# Altium PCB VNGS01 V1.32.PcbDoc (part 1 of 2) (continued)
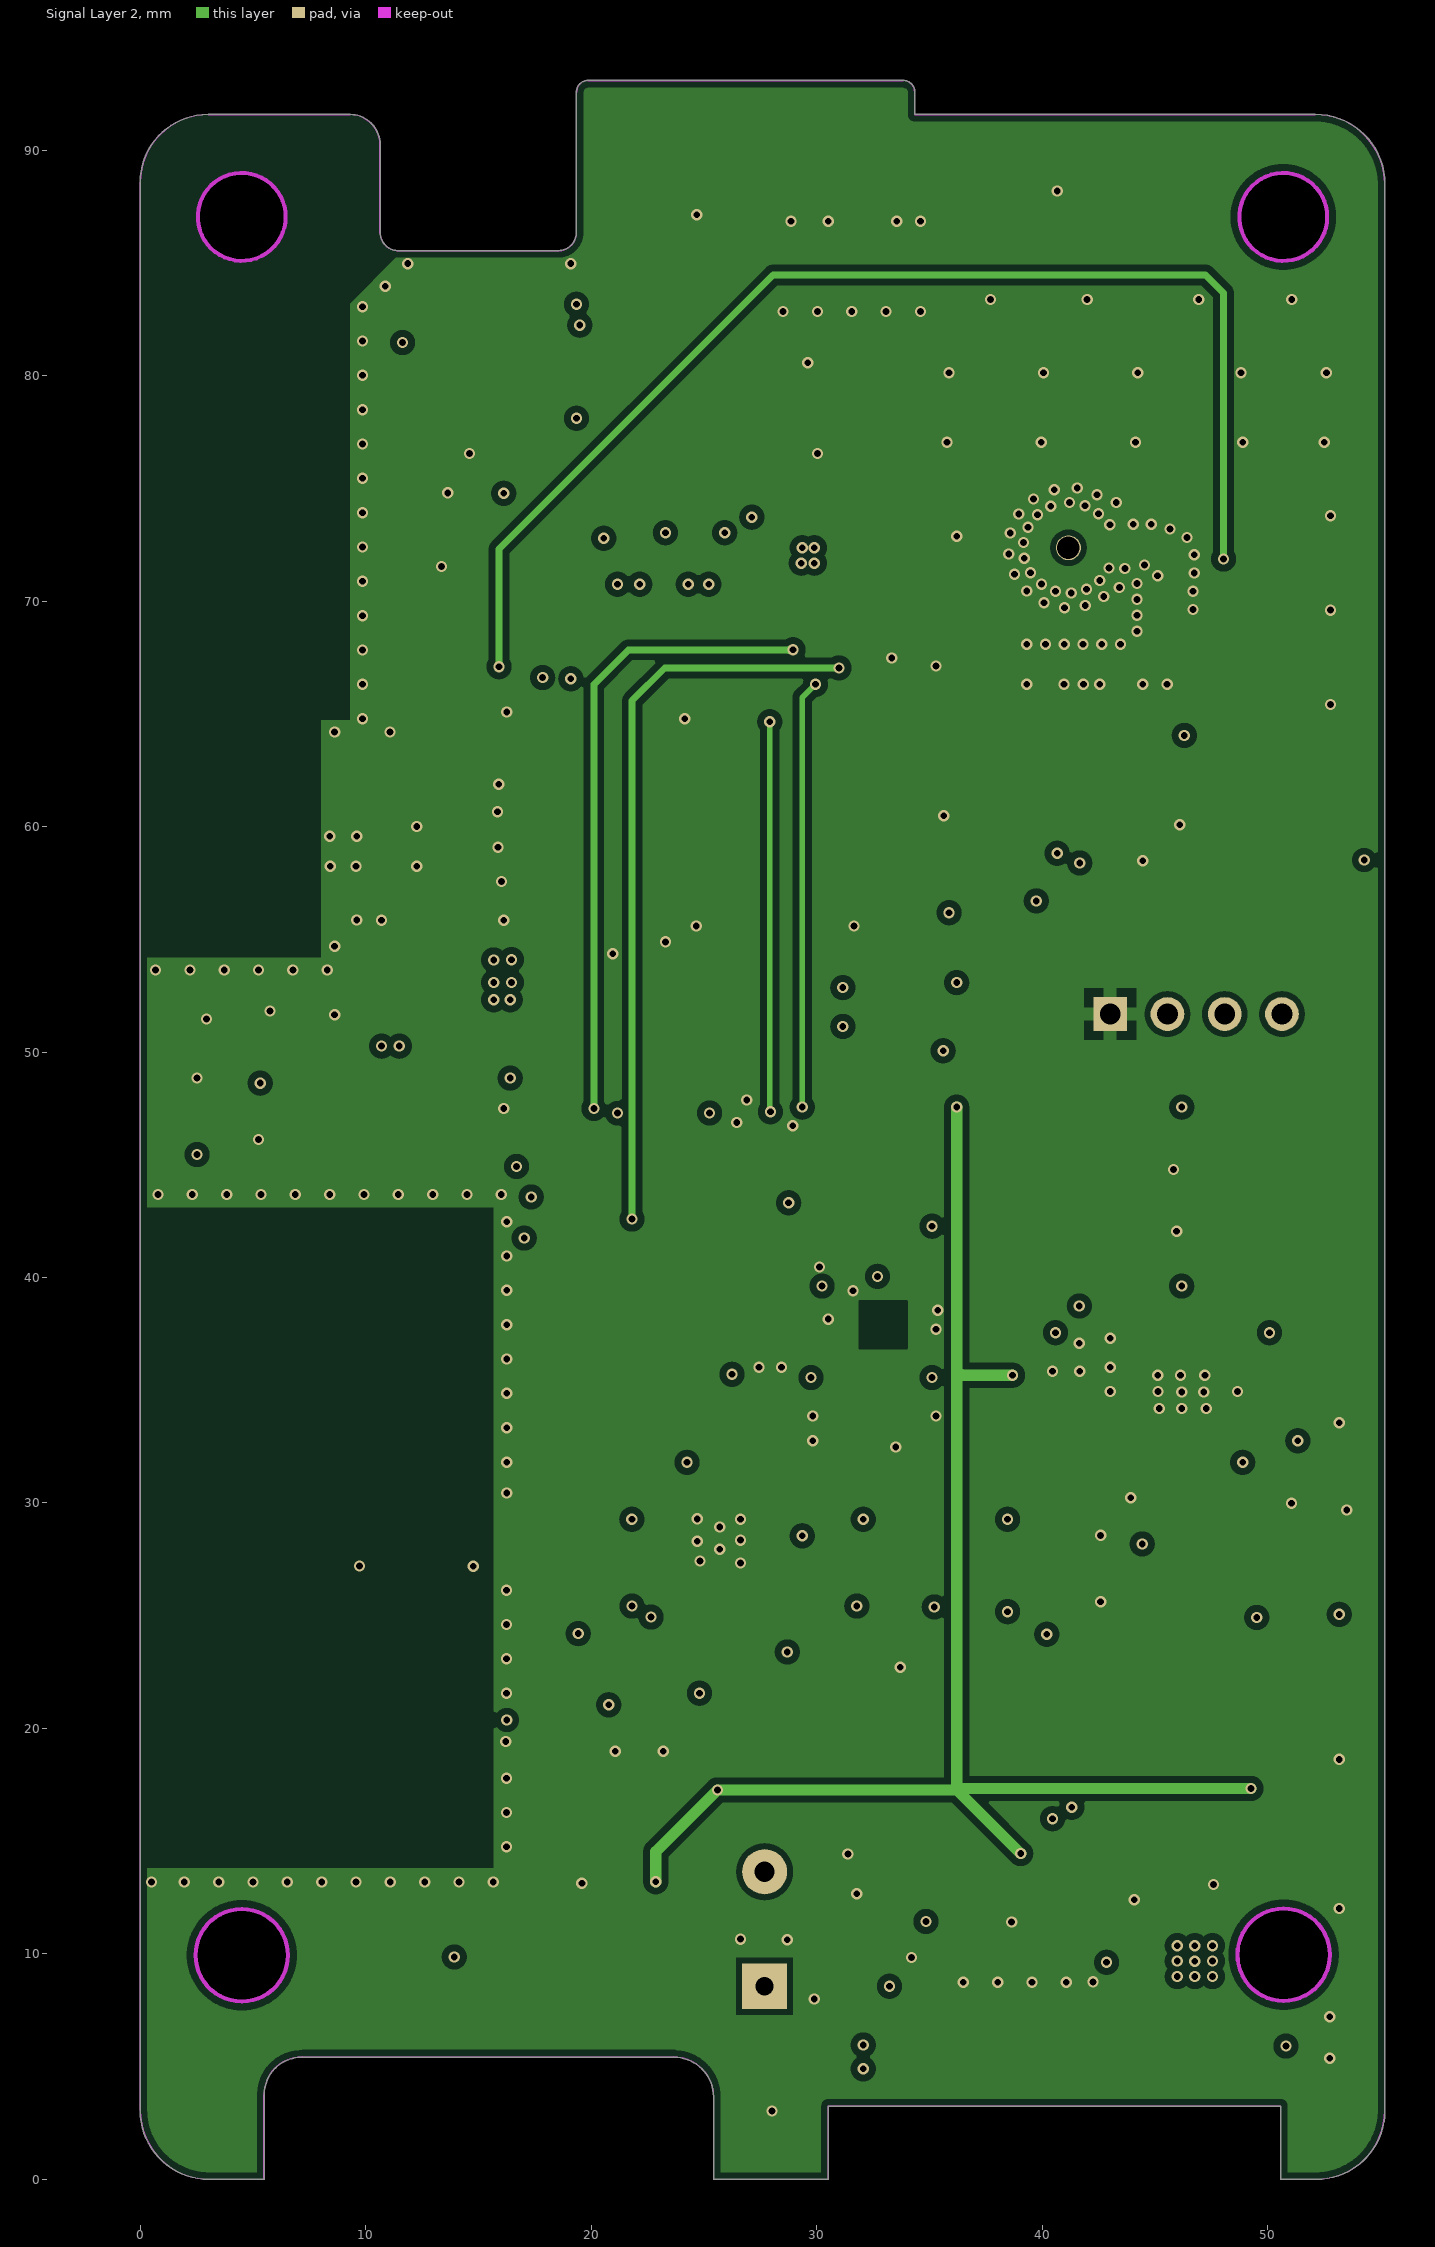
[diagram p3: Signal Layer 2]
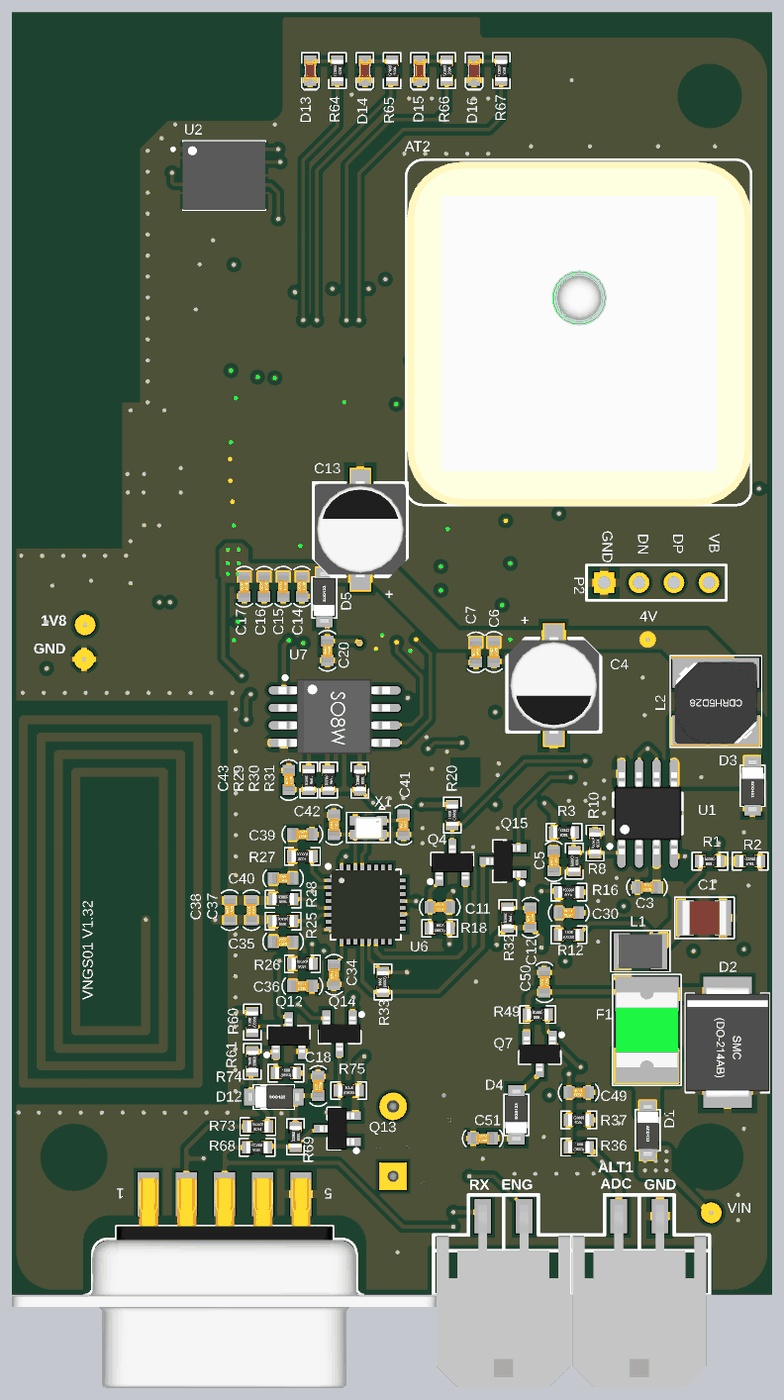
[diagram p5: 3D render of the assembled board from above, using the file's embedded part models]
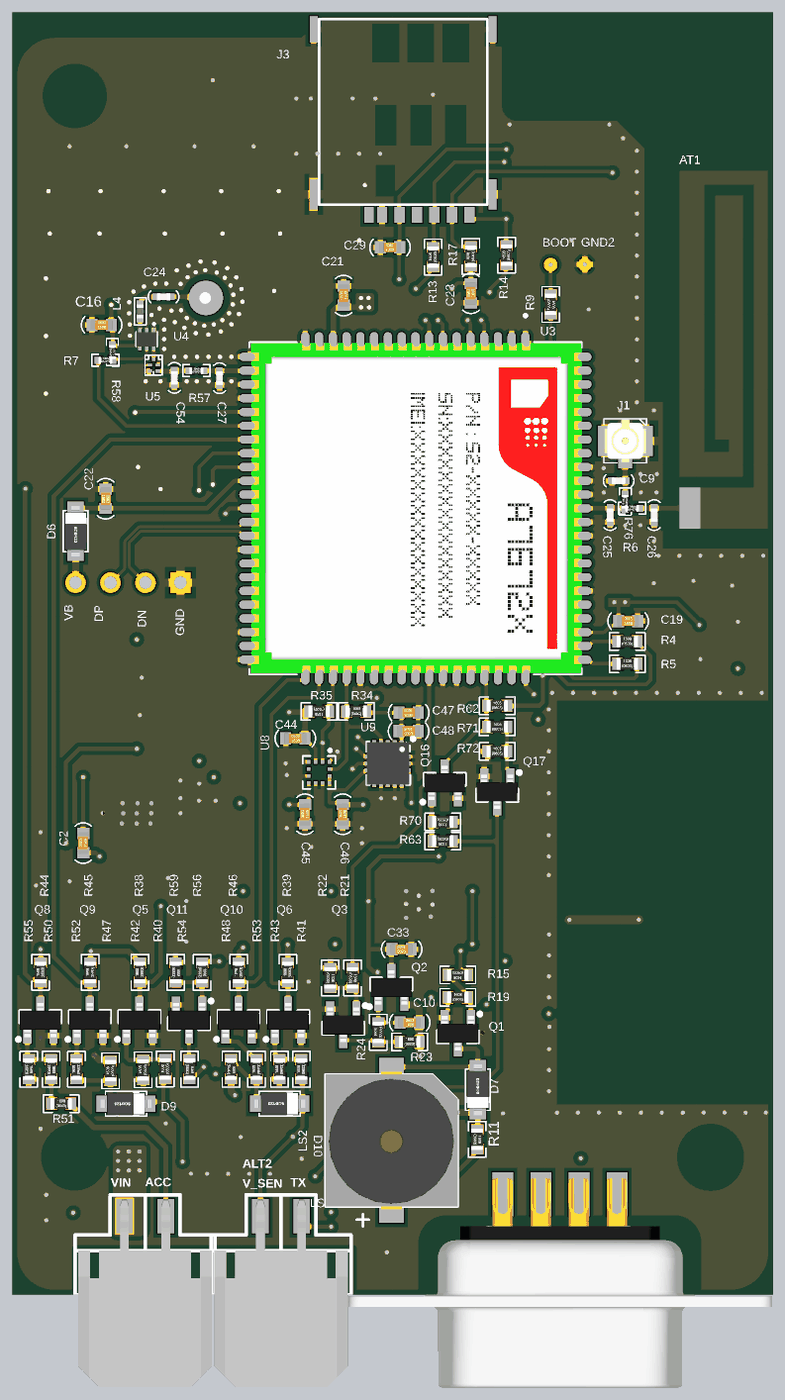
[diagram p6: 3D render of the assembled board from below, using the file's embedded part models]

## Layer stack, top to bottom
Top Solder: solder mask 0.02, SM-001, Dk 3.8
Top Layer: signal copper 0.035
Dielectric 1: prepreg 0.2104, PP-017, Dk 4.6
Signal Layer 1: signal copper 0.0152
Dielectric 2: core 1.065, Core-039, Dk 4.6
Signal Layer 2: signal copper 0.0152
Dielectric 3: prepreg 0.2104, PP-017, Dk 4.6
Bottom Layer: signal copper 0.035
Bottom Solder: solder mask 0.02, SM-001, Dk 3.8

## Board outline
3.048,-0.013 5.48,-0.013 ccw(c5.48,0) 5.493,0 5.493,3.752 ccw(c5.48,3.752) 5.492,3.756 ccw(c5.48,3.76) 5.493,3.76 cw(c7.148,3.752) 7.148,5.407 cw(c7.148,3.752) 7.18,5.407 ccw(c7.18,5.42) 7.183,5.407 23.627,5.407 ccw(c23.63,5.42) 23.63,5.407 cw(c23.665,3.644) 23.665,5.407 cw(c23.665,3.644) 25.427,3.653 cw(c23.665,3.644) 25.427,3.653 25.427,0 ccw(c25.44,0) 25.44,-0.013 30.505,-0.013 ccw(c30.505,0) 30.518,0 30.518,3.238 50.584,3.238 50.584,0 ccw(c50.597,0) 50.597,-0.013 52.152,-0.013 cw(c52.152,0) 52.152,-0.013 ccw(c52.152,3.048) 55.213,3.048 55.213,88.515 ccw(c55.2,88.515) 55.213,88.515 ccw(c55.2,88.515) 55.213,88.515 ccw(c52.126,88.515) 52.126,91.602 ccw(c52.126,91.589) 52.126,91.602 ccw(c52.126,91.589) 52.126,91.602 34.359,91.602 34.359,92.591 ccw(c34.346,92.594) 34.359,92.594 ccw(c33.846,92.597) 34.359,92.597 ccw(c33.846,92.597) 33.848,93.11 ccw(c33.848,93.097) 33.845,93.11 19.855,93.11 ccw(c19.853,93.097) 19.853,93.11 ccw(c19.855,92.597) 19.342,92.597 ccw(c19.355,92.594) 19.342,92.594 19.342,86.311 ccw(c18.529,86.374) 19.342,86.312 19.342,86.311 cw(c18.529,86.374) 18.566,85.56 cw(c18.529,86.374) 18.566,85.56 11.386,85.56 cw(c11.45,86.373) 10.635,86.336 ccw(c10.622,86.336) 10.635,86.338 ccw(c10.622,86.339) 10.635,86.339 10.635,90.253 ccw(c10.622,90.253) 10.635,90.254 ccw(c9.294,90.26) 10.635,90.26 ccw(c9.294,90.26) 9.299,91.602 ccw(c9.299,91.589) 9.299,91.602 3.021,91.602 ccw(c3.021,91.589) 3.01,91.597 ccw(c3,91.589) 3,91.602 ccw(c3,88.589) -0.013,88.589 ccw(c0,88.589) -0.013,88.588 -0.013,3.048 cw(c0,3.048) -0.013,3.048 cw(c0,3.048) -0.013,3.048 ccw(c3.048,3.048)
cut-out: 4.492,85.108 cw(c4.492,87.058) 2.542,87.058 cw(c4.492,87.058) 4.492,89.008 cw(c4.492,87.058) 6.442,87.058 cw(c4.492,87.058)
cut-out: 50.702,85.104 cw(c50.702,87.054) 48.752,87.054 cw(c50.702,87.054) 50.702,89.004 cw(c50.702,87.054) 52.652,87.054 cw(c50.702,87.054)
cut-out: 4.492,85.108 cw(c4.492,87.058) 2.542,87.058 cw(c4.492,87.058) 4.492,89.008 cw(c4.492,87.058) 6.442,87.058 cw(c4.492,87.058)
cut-out: 4.497,7.883 cw(c4.497,9.933) 2.447,9.933 cw(c4.497,9.933) 4.497,11.983 cw(c4.497,9.933) 6.547,9.933 cw(c4.497,9.933)
cut-out: 50.718,7.909 cw(c50.718,9.959) 48.668,9.959 cw(c50.718,9.959) 50.718,12.009 cw(c50.718,9.959) 52.768,9.959 cw(c50.718,9.959)

## Design rules (kind name [scope] priority, off if disabled: settings)
Clearance Clearance_1 [InNet('USB_N') vs InNet('USB_P')] p1: gap=0.2 ignorepadtopadclearanceinfootprint=FALSE except(0.127: Arc-Arc Arc-Track Track-Track)
Clearance Polygon [InNamedPolygon('BOT GND')or InNamedPolygon('SIG1 GND') or InNamedPolygon('TOP GND') or InNamedPolygon('SIG2 1V8')] p2: gap=0.3 ignorepadtopadclearanceinfootprint=FALSE except(0.254: THPad-Fill THPad-Poly THPad-Region)
Clearance Small [HasFootprint('QFN16P 3x3 - 1')   or HasFootprint('SAFFB1G56KB0F0A')] p3: gap=0.127 ignorepadtopadclearanceinfootprint=FALSE
Clearance [All] p4: gap=0.2 ignorepadtopadclearanceinfootprint=FALSE
ComponentClearance [All] p1: gap=0 collisioncheckmode=3 verticalgap=0 showdistances=FALSE
DiffPairsRouting DiffPair_Dif90DiffPairsRouting [InDifferentialPairClass('DIFF90')] p1: maxlimit=0.254 minlimit=0.127 mostfreqgap=0.254 toplayer_maxgap=0.127 toplayer_prefgap=0.127 toplayer_minwidth=0.211 toplayer_maxwidth=0.211 toplayer_prefwidth=0.211 bottomlayer_maxgap=0.127 bottomlayer_prefgap=0.127 bottomlayer_minwidth=0.211 bottomlayer_maxwidth=0.211 bottomlayer_prefwidth=0.211 impedanceprofiledriven=TRUE impedanceprofileid={1E399F76-69BF-49BC-BCAB-2E086C9E308C} impedanceprofilevalue=90.000000 maxuncoupledlength=12.7
DiffPairsRouting [All] p2: maxlimit=0.203 minlimit=0.203 mostfreqgap=0.203 toplayer_minwidth=0.254 toplayer_maxwidth=0.254 toplayer_prefwidth=0.254 midlayer1_minwidth=0.254 midlayer1_maxwidth=0.254 midlayer1_prefwidth=0.254 midlayer2_minwidth=0.254 midlayer2_maxwidth=0.254 midlayer2_prefwidth=0.254 bottomlayer_minwidth=0.254 bottomlayer_maxwidth=0.254 bottomlayer_prefwidth=0.254 maxuncoupledlength=12.7
HoleToHoleClearance [All] p1: gap=0 allowstackedmicrovias=TRUE
MatchedLengths DiffPair_Dif90MatchedLengths [InDifferentialPairClass('DIFF90')] p1: tolerance=25.4 checknetsindiffpair=FALSE checkdiffpairvsdiffpair=TRUE checkxsignals=TRUE checkothers=TRUE
MinimumSolderMaskSliver [All] p1: minsoldermaskwidth=0
PlaneClearance [All] p1: clearance=0.3
PlaneConnect [All] p1: planeconnectstyle=Direct reliefexpansion=0.508 reliefentries=4 reliefconductorwidth=0.254 reliefairgap=0.254
PolygonConnect PolygonConnect_BigPAD [(AsMM(PadXSize_AllLayers) >2 ) OR (      AsMM(PadYSize_AllLayers) >2 )] p1: thpad.connectstyle=Relief thpad.reliefconductorwidth=0.8 thpad.reliefentries=4 thpad.polygonreliefangle="90 Angle" thpad.airgapwidth=0.4 smdpad.connectstyle=Relief smdpad.reliefconductorwidth=0.6 smdpad.reliefentries=4 smdpad.polygonreliefangle="90 Angle" smdpad.airgapwidth=0.4 via.connectstyle=Direct via.reliefconductorwidth=0.254 via.reliefentries=4 via.polygonreliefangle="90 Angle" via.airgapwidth=0.254
PolygonConnect [All] p2: thpad.connectstyle=Relief thpad.reliefconductorwidth=0.6 thpad.reliefentries=4 thpad.polygonreliefangle="90 Angle" thpad.airgapwidth=0.4 smdpad.connectstyle=Relief smdpad.reliefconductorwidth=0.4 smdpad.reliefentries=4 smdpad.polygonreliefangle="90 Angle" smdpad.airgapwidth=0.3 via.connectstyle=Direct via.reliefconductorwidth=0.254 via.reliefentries=4 via.polygonreliefangle="90 Angle" via.airgapwidth=0.254
RoutingVias [All] p1: holewidth=0.3 width=0.5 viastyle="Through Hole" minholewidth=0.3 minwidth=0.5 maxholewidth=0.3 maxwidth=0.5
SilkToSilkClearance [All] p1: silktosilkclearance=0
SilkToSolderMaskClearance [IsPad] p1: minsilkscreentomaskgap=0 clearancetoexposedcopper=TRUE
SolderMaskExpansion [All] p1: expansion=0.102 istentingtop=FALSE
Width Antena [InNetClass('RF')] p1: maxlimit=0.345 minlimit=0.254 preferedwidth=0.345 toplayer_minwidth=0.345 bottomlayer_minwidth=0.345 impedanceprofiledriven=TRUE impedanceprofileid={487505A5-6B1A-4A6C-88A8-D21A6C699BCA} impedanceprofilevalue=50.000000 minimp=50.000000 maximp=50.000000 favimp=50.000000
Width [All] p2: maxlimit=1.27 minlimit=0.2 preferedwidth=0.3 minimp=50.000000 maximp=50.000000 favimp=50.000000
22 further rules are at their usual default settings.

## Classes and differential pairs
net class RF: GNSS_ANT NetAT1_1 NetAT2_1 NetC24_1 NetC27_1 NetL4_1 NetU4_6 RF_ANT
differential pair class DIFF90: USB
component class "08 Peripherral": C18 C49 C50 C51 COM1 D4 D9 D10 D12 D13 D14 D15 D16 H1 H2 Q5 Q6 Q7 Q8 Q9 Q10 Q11 Q12 Q13 Q14 Q16 Q17 R36 R37 R38 R39 R40 R41 R42 R43 R44 R45 R46 R47 R48 R49 R50 R51 R52 R53 R54 R55 R56 R59 R60 R61 R62 R63 R64 R65 R66 R67 R68 R69 R70 R71 R72 R73 R74 R75
component class "07 Motion": C44 C45 C46 C47 C48 R34 R35 U8 U9
component class "06 Memories": C43 R29 R30 R31 U7
component class "05 RFID": C10 C11 C12 C33 C34 C35 C36 C37 C38 C39 C40 C41 C42 Q2 Q3 Q4 Q15 R18 R20 R21 R22 R23 R24 R25 R26 R27 R28 R32 R33 U6 X1
component class "04 Open MCU": 1V8 1v8 AT1 AT2 BOOT C9 C16 C19 C20 C21 C22 C23 C24 C25 C26 C27 C29 C30 C54 D5 D6 D7 J1 J3 L4 LS1 LS2 P2 Q1 R4 R5 R6 R7 R9 R11 R12 R13 R14 R15 R16 R17 R19 R57 R58 R76 U2 U3 U4 U5
component class "03 Power DC": 4V C1 C2 C3 C4 C5 C6 C7 C13 C14 C15 C16 C17 D1 D2 D3 F1 gnd GND2 L1 L2 R1 R2 R3 R8 R10 U1 VIN
differential pair USB: +USB_P -USB_N

## Components (designator, comment, footprint, x,y, rotation, side; value= is the part's Value field where it differs from the comment)
1V8 "1V8" TP1 5.313,48.625 r0 top (schematic designator J8)
4V "" "Test Point 1 MM"#1 46.2,47.561 r0 top
AT1 "Anten RF" ANT_GSM 0.36,55.6 r90 bottom locked
AT2 "25x25x4" "Jinchang - 1575" 41.173,69.875 r180 top locked
BOOT "" "Test Point 1 MM"#1 16.118,74.791 r90 bottom
C1 "3.3uF/100V" "1210 - C" 50.318,27.338 r180 top
C2 "100nF" "0603 - C" 50.089,32.768 r90 bottom
C3 "100nF" "0603 - C" 46.14,29.55 r0 top
C4 "220uF/6.3V" CAP_ALUM_SMD_6354_TYPE_D 39.367,44.251 r270 top
C5 "100nF" "0603 - C" 39.367,31.456 r270 top
C6 "10uF" "0603 - C" 35.016,46.655 r90 top
C7 "100nF" "0603 - C" 33.709,46.624 r90 top
C9 "NM" "0402 - C" 11.175,59.092 r180 bottom
C10 "100nF" "0603 - C" 26.365,19.724 r180 bottom
C11 "1nF" "0603 - C" 31.084,28.118 r0 top
C12 "1nF" "0603 - C" 37.674,27.347 r270 top
C13 "220uF/6.3V" CAP_ALUM_SMD_6354_TYPE_D 25.308,55.542 r90 top
C14 "1uF" "0603 - C" 21.068,51.394 r90 top value=10uF
C15 "100nF" "0603 - C" 19.706,51.394 r90 top
C16 "33pF" "0603 - C" 48.752,70.42 r180 bottom
C16 "33pF" "0603 - C" 18.322,51.394 r90 top
C17 "10pF" "0603 - C" 16.88,51.394 r90 top
C18 "100nF" "0603 - C" 22.25,15.115 r270 top
C19 "2.2uF" "0603 - C" 10.486,48.897 r180 bottom value=100nF
C20 "2.2uF" "0603 - C" 22.915,46.743 r90 top value=10uF
C21 "100nF" "0603 - C" 31.163,72.547 r90 bottom
C22 "100nF" "0603 - C" 48.464,57.788 r270 bottom
C23 "22pF" "0603 - C" 21.914,72.716 r90 bottom
C24 "470pF" "0402 - C" 44.246,72.461 r180 bottom
C25 "NM" "0402 - C" 11.8,56.6 r90 bottom
C26 "NM" "0402 - C" 8.6,56.6 r90 bottom
C27 "NM" "0402 - C" 40.185,66.549 r270 bottom
C29 "100nF" "0603 - C" 27.791,76.054 r0 bottom
C30 "100nF" "0603 - C" 40.46,27.701 r180 top
C33 "100nF" "0603 - C" 26.945,25.056 r0 bottom
C34 "1nF" "0603 - C" 23.4,23.2 r270 top
C35 "150pF" "0603 - C" 19.7,25.6 r180 top
C36 "150pF" "0603 - C" 21.1,22.375 r180 top
C37 "220pF" "0603 - C" 17.4,27.9 r270 top
C38 "220pF" "0603 - C" 15.819,27.9 r90 top
C39 "150pF" "0603 - C" 21.1,33.4 r0 top
C40 "150pF" "0603 - C" 19.7,30.2 r180 top
C41 "22pF" "0603 - C" 28.447,34.1 r90 top
C42 "22pF" "0603 - C" 23.4,34.1 r270 top
C43 "100nF" "0603 - C" 20.121,37.347 r270 top
C44 "100nF" "0603 - C" 34.675,40.374 r180 bottom
C45 "100nF" "0603 - C" 33.975,34.863 r90 bottom
C46 "100nF" "0603 - C" 31.23,34.863 r90 bottom
C47 "10uF" "0603 - C" 26.432,42.243 r0 bottom
C48 "100nF" "0603 - C" 26.442,40.9 r0 bottom
C49 "100nF_NM" "0603 - C" 41.18,14.643 r180 top
C50 "100nF_NM" "0603 - C" 38.686,22.659 r270 top
C51 "100nF_NM" "0603 - C" 34.212,11.32 r0 top
C54 "NM" "0402 - C" 43.463,66.572 r270 bottom
COM1 "DB9 MALE" "DSB 9M-SM" 15.443,8.941 r180 top locked
D1 "60V 2A" SOD-123 46.2,11.9 r0 top
D2 "SMCJ33A" "DIODE - SMC" 52,18.29 r270 top
D3 "60V 2A" SOD-123 53.815,36.926 r0 top
D4 "60V 2A" SOD-123 36.65,13.017 r180 top
D5 "1N4148" SOD-123 22.695,50.62 r180 top
D6 "60V 2A" SOD-123 50.645,55.431 r180 bottom
D7 "1N4148" SOD-123 21.408,14.846 r0 bottom
D9 "1N4148" SOD-123 46.978,13.82 r270 bottom
D10 "1N4148" SOD-123 35.81,13.83 r270 bottom
D12 "1N4148" SOD-123 19.027,14.318 r90 top
D13 "RED" "LED - 0603 - R" 21.673,88.9 r270 top locked
D14 "RED" "LED - 0603 - R" 25.642,88.9 r270 top locked
D15 "RED" "LED - 0603 - R" 29.61,88.9 r270 top locked
D16 "RED" "LED - 0603 - R" 33.579,88.9 r270 top locked
F1 "60V-750mA" "2016 - FUSE" 46.14,19.19 r90 top
GND "" "Test Point 1 MM"#2 5.24,46.125 r90 top
GND2 "" "Test Point 1 MM"#1 13.639,74.812 r90 bottom
H1 "MX3.0 RA 2*2P S" 43045-M3045-2x2-B 45.593,1.219 r0 top locked
H2 "MX3.0 RA 2*2P S" 43045-M3045-2x2-B 35.712,1.219 r0 top locked
J1 "IPEX MHF1_NM" IPEX 10.7,61.992 r270 bottom
J3 "MUP-C7801-2" MUP-C7801-2 26.84,85.158 r0 bottom locked
L1 "2.2uH" "1210 - L" 45.663,24.912 r0 top
L2 "33uH, 1.5A" INDUCTOR-5D28 51.155,43.054 r90 top
L4 "6.8nH" "0402 - L" 45.943,71.403 r90 bottom
LS1 "3V SMD" "BUZZER - SMD - 1" 27.681,11.163 r90 bottom locked
LS2 "3V 9mm" Buzzer 27.695,11.097 r90 bottom locked
P2 "Header 4P" HDR1X4 43.025,51.69 r0 top
Q1 "2N3904" SOT23B 22.865,18.949 r270 bottom
Q2 "IRLML6402" SOT23B 27.695,22.275 r90 bottom
Q3 "2N3904" SOT23B 31.192,19.561 r270 bottom
Q4 "2N3904" SOT23B 31.999,31.358 r90 top
Q5 "2N3904" SOT23B 46,19.901 r90 bottom
Q6 "2N3904" SOT23B 35.2,19.901 r90 bottom
Q7 "IRLML6402" SOT23B 38.34,17.438 r270 top
Q8 "2N3904" SOT23B 53.2,19.901 r90 bottom
Q9 "2N3904" SOT23B 49.6,19.901 r90 bottom
Q10 "2N3904" SOT23B 38.8,19.901 r90 bottom
Q11 "2N3904" SOT23B 42.4,19.901 r270 bottom
Q12 "2N3904" SOT23B 20.117,18.774 r90 top
Q13 "2N3906" SOT23B 23.629,12.016 r180 top
Q14 "2N3904" SOT23B 23.804,18.919 r270 top
Q15 "2N3904" SOT23B 35.685,31.456 r180 top
Q16 "2N3904" SOT23B 23.815,37.147 r90 bottom
Q17 "2N3904" SOT23B 20,36.496 r270 bottom
R1 "510K" "0603 - R" 50.718,31.456 r180 top
R2 "510K" "0603 - R" 53.643,31.456 r180 top
R3 "510K" "0603 - R" 40.117,33.556 r180 top
R4 "10K" "0603 - R" 10.555,47.419 r180 bottom
R5 "10K" "0603 - R" 10.555,45.794 r180 bottom
R6 "0R" "0402 - R" 10.2,57.1 r180 bottom
R7 "0R" "0402 - R" 48.474,67.852 r180 bottom
R8 "4.7K" "0603 - R" 40.859,31.456 r270 top
R9 "1K" "0603 - R" 16.118,71.907 r270 bottom
R10 "27K" "0603 - R" 42.376,32.768 r270 top
R11 "120R" "0603 - R" 21.458,11.24 r270 bottom
R12 "100K" "0603 - R" 40.46,26.101 r0 top
R13 "22R" "0603 - R" 24.663,75.354 r90 bottom
R14 "22R" "0603 - R" 19.32,75.491 r90 bottom
R15 "1K" "0603 - R" 22.865,23.187 r0 bottom
R16 "4.7K" "0603 - R" 40.46,29.201 r180 top
R17 "22R" "0603 - R" 21.914,75.394 r90 bottom
R18 "4.7K" "0603 - R" 31.084,26.574 r0 top
R19 "10K" "0603 - R" 22.865,21.56 r180 bottom
R20 "10K" "0603 - R" 31.999,34.8 r90 top
R21 "1K" "0603 - R" 30.515,22.975 r270 bottom
R22 "10K" "0603 - R" 32.142,22.975 r270 bottom
R23 "10K" "0603 - R" 26.365,18.324 r180 bottom
R24 "100K" "0603 - R" 28.645,19.024 r90 bottom
R25 "330R" "0603 - R" 19.7,27.1 r180 top
R26 "0R" "0603 - R" 21.1,24 r180 top
R27 "0R" "0603 - R" 21.1,31.8 r180 top
R28 "330R" "0603 - R" 19.7,28.7 r180 top
R29 "10K" "0603 - R" 21.564,37.347 r270 top
R30 "10K" "0603 - R" 23.008,37.347 r270 top
R31 "10K" "0603 - R" 25.279,37.333 r270 top
R32 "4.7K" "0603 - R" 36.023,27.347 r270 top
R33 "10K" "0603 - R" 26.949,22.675 r90 top
R34 "4.7K" "0603 - R" 30.242,42.329 r180 bottom
R35 "4.7K" "0603 - R" 32.95,42.329 r0 bottom
R36 "10K_NM" "0603 - R" 41.195,10.673 r0 top
R37 "4.7K_NM" "0603 - R" 41.19,12.658 r180 top
R38 "10K" "0603 - R" 45.97,23.375 r90 bottom
R39 "10K" "0603 - R" 35.217,23.375 r90 bottom
R40 "68K" "0603 - R" 44.123,16.36 r90 bottom
R41 "68K" "0603 - R" 34.236,16.334 r90 bottom
R42 "10K" "0603 - R" 45.733,16.292 r90 bottom
R43 "10K" "0603 - R" 35.825,16.334 r90 bottom
R44 "10K" "0603 - R" 53.187,23.375 r90 bottom
R45 "10K" "0603 - R" 49.58,23.375 r90 bottom
R46 "10K" "0603 - R" 38.79,23.37 r90 bottom
R47 "10K" "0603 - R" 48.1,16.223 r90 bottom
R48 "10K" "0603 - R" 39.351,16.334 r270 bottom
R49 "1M_NM" "0603 - R" 38.199,20.312 r180 top
R50 "68K" "0603 - R" 52.416,16.334 r270 bottom
R51 "10K" "0603 - R" 51.689,13.83 r180 bottom
R52 "68K" "0603 - R" 50.581,16.334 r90 bottom
R53 "68K" "0603 - R" 37.493,16.334 r90 bottom
R54 "100K" "0603 - R" 42.365,16.334 r270 bottom value=100K_NM
R55 "10K" "0603 - R" 54.05,16.334 r270 bottom
R56 "10K" "0603 - R" 41.45,23.37 r270 bottom value=10K_NM
R57 "0R" "0402 - R" 41.866,67.1 r180 bottom
R58 "0R" "0402 - R" 47.974,68.439 r270 bottom
R59 "10K_NM" "0603 - R" 43.37,23.37 r270 bottom
R60 "10K" "0603 - R" 17.466,19.758 r90 top
R61 "10K" "0603 - R" 17.466,16.904 r90 top
R62 "10K" "0603 - R" 20,42.747 r180 bottom
R63 "1K" "0603 - R" 23.95,32.909 r0 bottom
R64 "120R" "0603 - R" 23.651,88.9 r270 top locked
R65 "120R" "0603 - R" 27.62,88.9 r270 top locked
R66 "120R" "0603 - R" 31.588,88.9 r270 top locked
R67 "120R" "0603 - R" 35.557,88.9 r270 top locked
R68 "1K" "0603 - R" 17.804,10.657 r180 top
R69 "10K" "0603 - R" 20.606,11.432 r270 top
R70 "10K" "0603 - R" 23.95,34.309 r0 bottom
R71 "1K_NM" "0603 - R" 20,41.216 r180 bottom
R72 "10K_NM" "0603 - R" 20,39.433 r180 bottom
R73 "1K" "0603 - R" 17.865,12.175 r180 top
R74 "10K" "0603 - R" 19.906,16.054 r0 top
R75 "1K" "0603 - R" 24.479,14.789 r0 top
R76 "0R" "0402 - R" 10.7,57.574 r90 bottom
U1 "MP9486A" "SOIC8 - POWER" 46.2,34.925 r90 top
U2 "e-SIM" "E-SIM 5*6mm" 12.412,78.785 r0 top
U3 "A7672x" A7672 25.95,57.09 r270 bottom locked
U4 "MAX2659ELT+T" SOT886 45.474,69.363 r270 bottom
U5 "SAFFB1G56KB0F0A" SAFFB1G56KB0F0A 45.418,68.042 r270 bottom
U6 "CR95HF" 32-VFQFN 25.7,28.3 r0 top locked
U7 "Flash 64Mbit" "8 - SOIC" 23.448,41.958 r0 top
U8 "KXTJ3-1057" KIONIX_KXTJ3-1057 32.95,37.905 r270 bottom locked
U9 "LIS3DSHTR" "QFN16P 3x3 - 1" 27.95,38.547 r270 bottom
VIN "" "Test Point 1 MM"#2 50.819,5.904 r90 top
X1 "Crystal 27.12MHz" "CRYSTAL 2016" 25.9,33.9 r270 top
